# KiCad board helios-panel.kicad_pcb (continued)
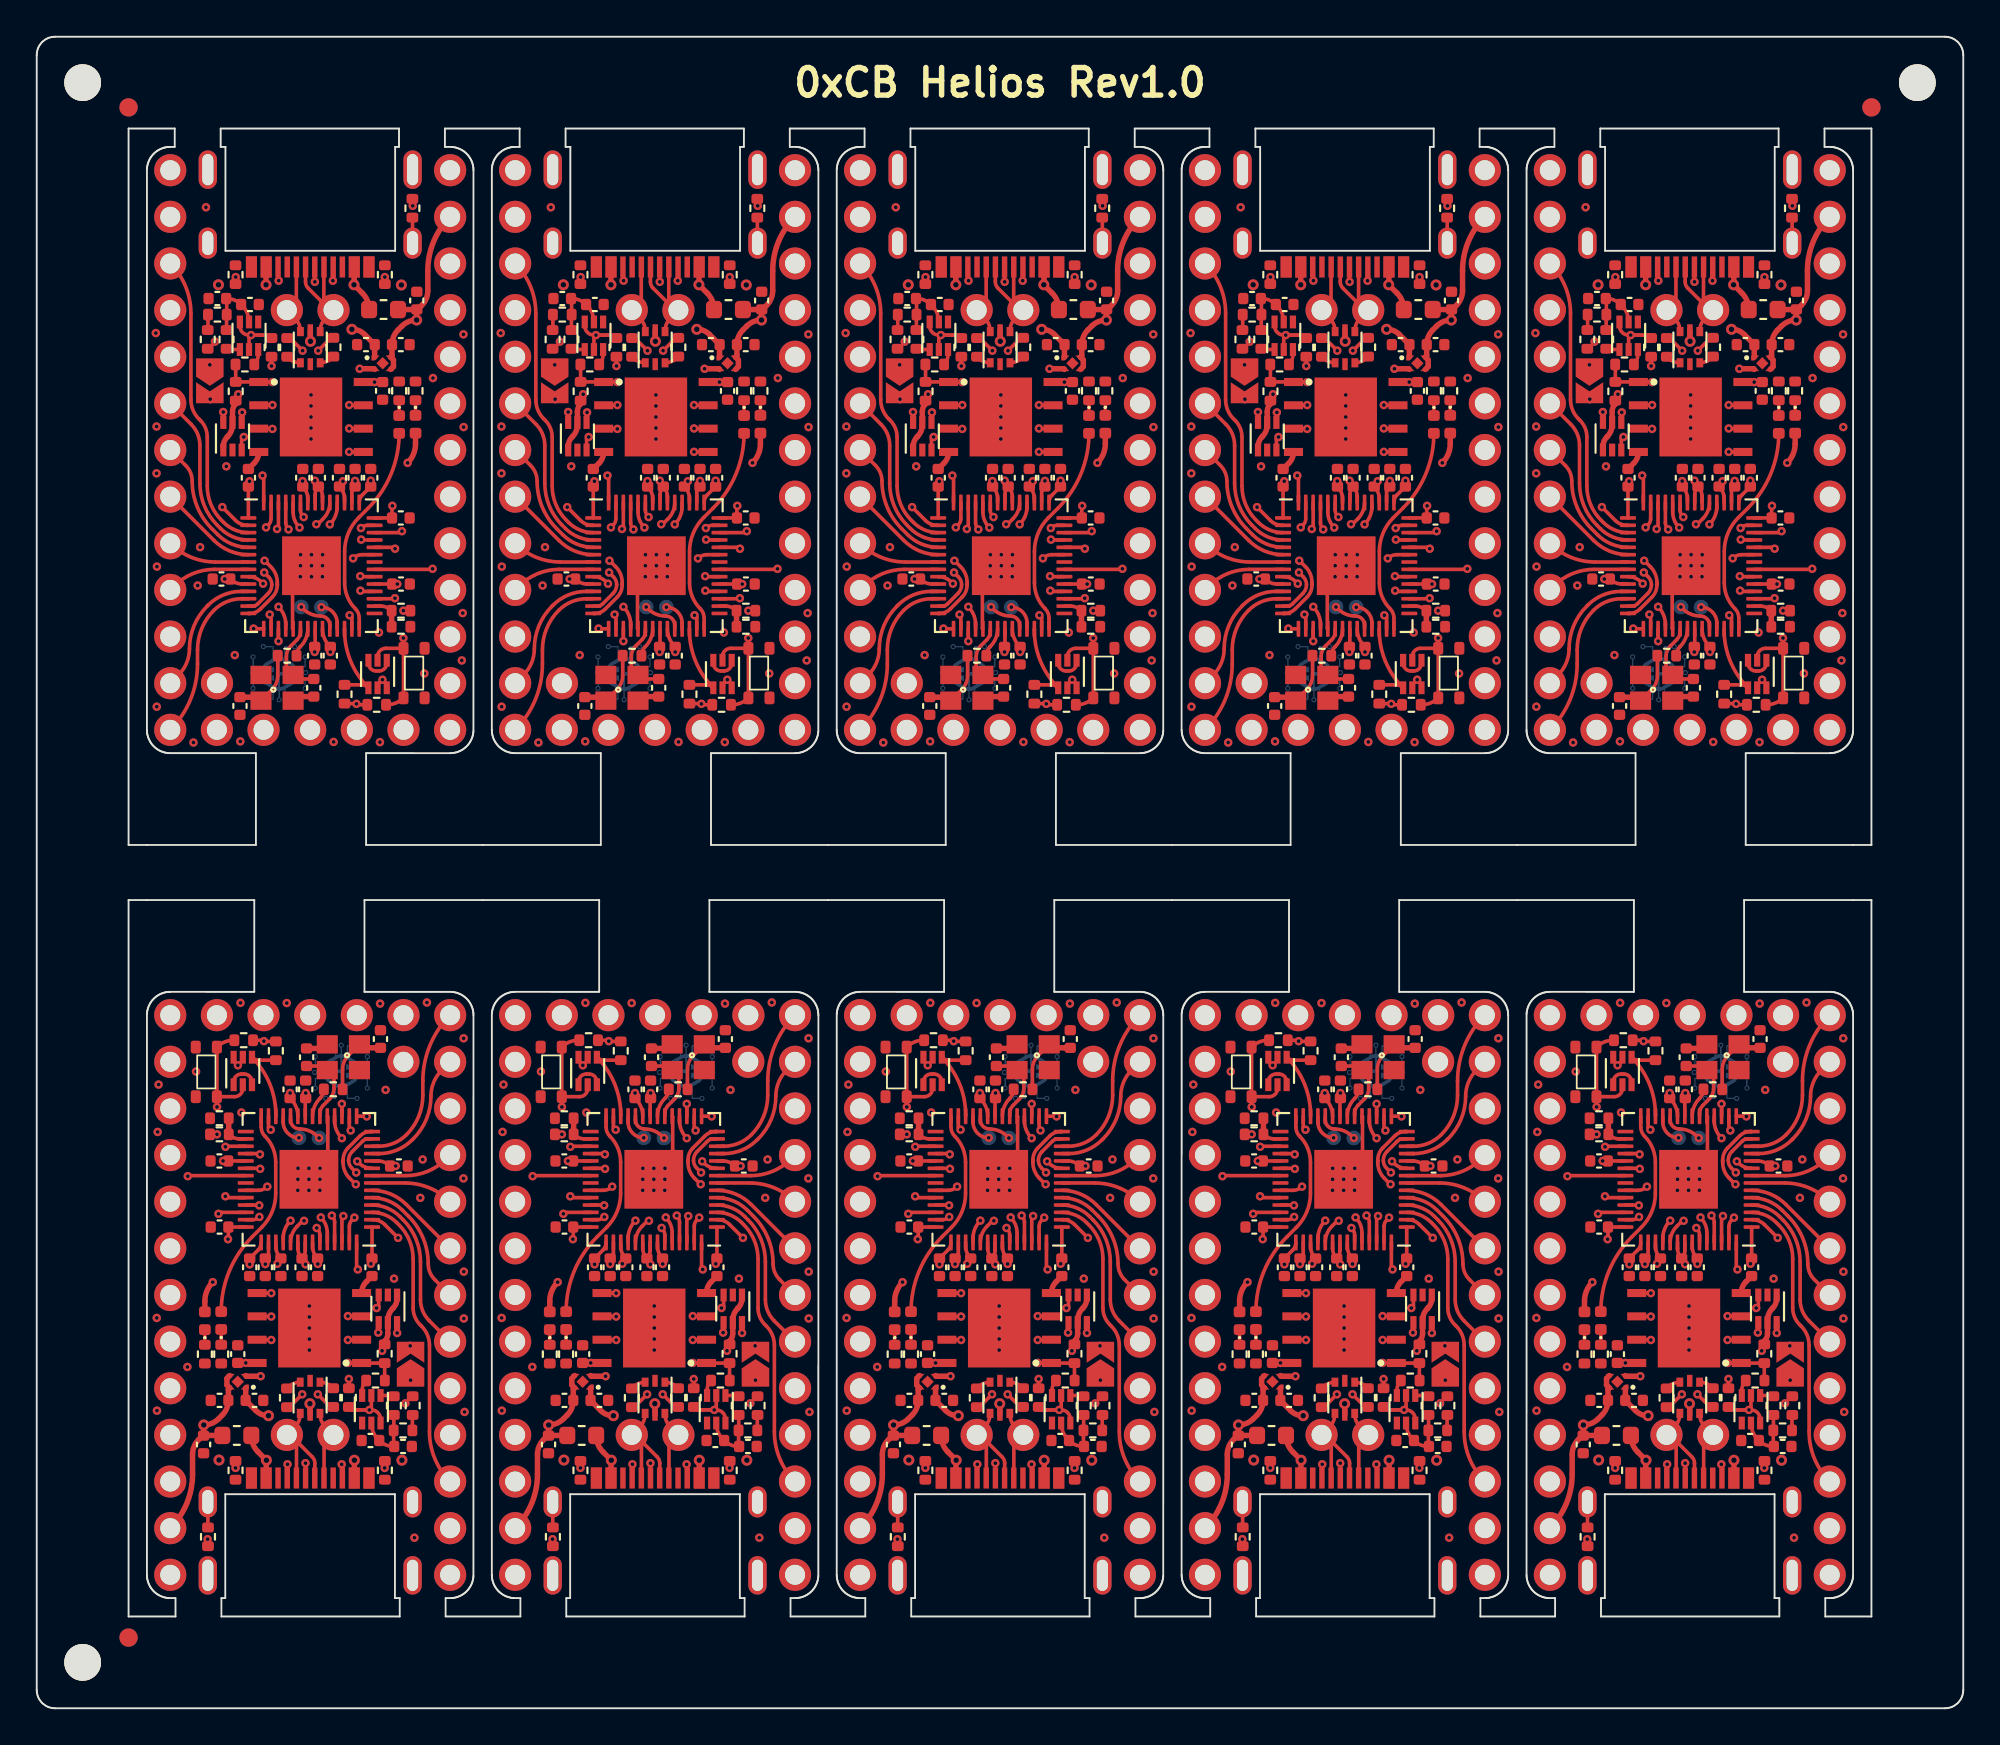
[diagram p0: board, top side]
## Routing (per net, layer and track width the routed paths; a pad name or vN(x,y) marks a point on that pad's centre or on a via; arc(x,y) is an arc through that point) (continued)
Board_1-/RGB_DO: length 15.4
  Top w0.2: U4#8.37 36.49,62.83 arc(36.23,62.78) v1(36.01,62.63) ; U5#4.3 29.94,69.12 v1(30.05,69.24)
  In1.Cu w0.2: v1(30.05,69.24) 29.26,69.24 arc(28.61,68.97) 28.34,68.31 arc(28.48,67.58) 28.9,66.96 29.67,66.18 arc(30.11,65.53) 30.26,64.76 30.26,64.25 arc(30.45,63.79) 30.9,63.6 34.14,63.6 arc(34.96,63.44) 35.66,62.98 v1(36.01,62.63)
Board_1-/RST: length 4.9
  Top w0.2: U4#8.26 35.54,58.72 arc(35.88,57.02) Q1.4 36.83,55.59 arc(36.66,55.7) 36.47,55.74 R3#8.2
Board_1-/SWD_CLK: length 2.2
  Top w0.2: v1(33.19,59.98) 33.28,59.89 arc(33.72,59.59) 34.24,59.49 arc(34.59,59.34) 34.74,58.99 U4#8.24
Board_1-/SWD_IO: length 1.7
  Top w0.2: U4#8.25 35.14,59.12 arc(34.89,59.72) v1(34.28,59.97)
Board_1-/USB+: length 0.8
  Top w0.2: R12#8.1 32.47,73.56 arc(32.77,73.35) U1#7.1
Board_1-/USB-: length 0.8
  Top w0.2: R13#10.1 34.87,73.55 arc(34.57,73.35) U1#7.3
Board_1-GND: length 8.8
  Top w0.2: Q1.1 37.84,56.92 arc(37.71,56.62) 37.41,56.5 37.27,56.5 arc(36.97,56.62) 36.84,56.92 Q1.3 ; v1(33.74,62.23) 32.71,61.2 32.71,58.82 U4#8.19
  Top w0.3: C16#10.2 30.62,67.81 arc(30.8,68.09) U3#10.4 ; v1(36.37,72.96) 37.15,72.96 U2#2.2 ; C7#3.1 32.96,55.1 Y1#5.2
  vias: v1(25.27,74.9) v1(25.3,69.81) v1(25.3,67.26) v1(25.33,62.18) v1(25.31,54.55) v1(27.31,52.6) v1(27.55,61.15) v1(27.67,63.24) v1(27.99,81.75) v1(28.48,74.43) v1(29.56,57.36) v1(29.87,52.66) v1(33.15,62.83) v1(33.14,62.23) v1(33.13,61.63) v1(33.72,71.53) v1(33.72,70.93) v1(33.72,70.33) v1(33.72,69.73) v1(33.72,69.13) v1(33.74,62.83) v1(33.74,61.63) v1(34.34,62.83) v1(34.34,62.23) v1(34.34,61.63) v1(34.95,52.63) v1(37.41,58.59) v1(37.47,52.62) v1(39.26,81.83) v1(39.88,56.36) v1(40.35,72.45) v1(41.92,57.07) v1(42.02,74.83) v1(42.02,69.78) v1(41.98,59.65) v2(28.67,77.53) v2(38.63,77.52)
Board_1-Net-(C1-Pad1): length 3.7
  Top w0.2: 29.12,75.06 29.12,75.9 R5#10.1 29.12,76.75 C1#9.1 29.13,76.78 arc(29.55,76.7) C2#10.1 29.97,76.39 arc(30.24,75.99) Q2#7.5
Board_1-Net-(C7-Pad2): length 4.1
  Top w0.2: C7#3.2 32.96,56.06 Y1#5.3 32.52,56.5 arc(32.41,56.66) 32.38,56.85 32.38,57.28 arc(32.44,57.59) 32.61,57.86 32.96,58.21 arc(33.09,58.4) 33.14,58.64 U4#8.20
Board_1-Net-(C8-Pad2): length 4
  Top w0.2: Y1#5.1 31.59,55.48 arc(31.82,55.83) 31.91,56.24 R14#8.1
  Top w0.3: Y1#5.1 30.8,55.07 C8#4.2
Board_1-Net-(D1-Pad1): length 0.8
  Top w0.2: D1#7.1 R10#4.1
Board_1-Net-(D1-Pad2): length 24.2
  Top w0.2: JP1#5.2 28.23,71.56 v1(28.23,71.3)
  Top w0.3: D1#7.2 39.41,68.87 arc(39.29,68.31) v1(38.98,67.83)
  In1.Cu w0.2: v1(28.23,71.3) 28.21,71.3 arc(28.08,71.1) 28.03,70.87 28.03,68.2 arc(28.18,67.46) 28.6,66.83 29.35,66.08 arc(29.8,65.41) 29.96,64.62 29.96,64.23 arc(30.23,63.58) 30.88,63.3 34.16,63.3 arc(34.57,63.22) 34.91,62.99 35.62,62.28 arc(35.98,62.14) 36.33,62.28 36.35,62.3 arc(36.49,62.65) 36.35,63.01 36.11,63.25 arc(35.75,64.12) 36.11,64.99 38.95,67.83 v1(38.98,67.83)
Board_1-Net-(D2-Pad1): length 0.8
  Top w0.2: D2#8.1 R15#4.1
Board_1-Net-(FB1-Pad1): length 1.4
  Top w0.2: 39.24,79.8 39.24,81.19 FB1#3.1
Board_1-Net-(J1-PadA5): length 4.1
  Top w0.2: v1(34.91,77.75) 34.91,77.76 34.91,78.5 ; R7#8.2 v1(37.73,77.95)
  In1.Cu w0.2: v1(37.73,77.95) 37.63,78.05 35.64,78.05 arc(35.24,77.98) v1(34.91,77.75)
Board_1-Net-(J1-PadB5): length 3.6
  Top w0.2: R8#6.2 29.6,77.94 v1(29.62,77.95) ; 31.91,78.5 31.91,77.79 v1(31.95,77.75)
  In1.Cu w0.2: v1(29.62,77.95) 29.72,78.05 31.23,78.05 arc(31.62,77.98) v1(31.95,77.75)
Board_1-Net-(Q1-Pad5): length 28.5
  Top w0.2: 31.09,74.79 30.34,74.79 arc(29.99,74.94) 29.84,75.29 Q2#7.6 ; 31.09,74.79 31.41,74.79 R2#9.2 ; 31.09,74.79 v1(30.45,74.79) 30.34,74.68 Q2#7.2 ; Q1.5 37.34,55.76 v1(37.6,56.02) 37.84,55.79 Q1.6
  In2.Cu w0.2: v1(30.45,74.79) 30.33,74.67 arc(30.22,74.5) 30.18,74.31 30.18,72.23 arc(30.22,72.04) 30.33,71.88 30.36,71.84 arc(30.49,71.64) 30.54,71.41 30.54,68.84 arc(30.46,68.45) 30.24,68.12 arc(29.97,67.72) 29.88,67.25 29.88,66.27 arc(30.11,65.12) 30.76,64.15 32.01,62.9 arc(32.34,62.4) 32.46,61.82 32.46,59.42 arc(33.45,57.02) 35.86,56.02 37.6,56.02 v1(37.6,56.02)
Board_1-Net-(Q2-Pad1): length 0.7
  Top w0.2: Q2#7.1 29.16,74.01 R4#3.1
Board_1-Net-(R5-Pad2): length 0.8
  Top w0.2: 28.09,75.06 28.1,75.08 28.1,75.91
Board_1-Net-(R14-Pad2): length 1.6
  Top w0.2: R14#8.2 arc(32.98,57.59) 33.12,57.81 33.14,57.83 arc(33.44,58.27) U4#8.21
Board_1-VBUS: length 28.7
  Top w0.2: v1(38.74,59.78) R16#2.1
  Top w0.3: v2(31.27,77.53) 31.27,78.5 ; 36.06,78.5 36.06,77.54 v2(36.05,77.53) 36.5,77.08 arc(36.78,76.67) F1#2.1
  In2.Cu w0.2: v1(38.74,59.78) arc(39.27,60.56) 39.45,61.48 39.45,69.34 arc(38.57,73.77) v2(36.05,77.53)
  In2.Cu w0.3: v2(31.27,77.53) arc(31.53,78.18) 32.18,78.45 35.14,78.45 arc(35.79,78.18) v2(36.05,77.53)
Board_2-+1V1: length 15.7
  Top w0.2: v1(52.03,66.84) 52.05,66.83 C17#2.1 arc(52.25,66.24) 52.32,65.88 U4#2.50 ; v1(54.23,66.83) 54.05,66.64 C10#4.2 arc(54.25,66.24) 54.32,65.88 U4#2.45 ; v1(53.55,57.53) C19#10.1 53.51,57.84 arc(53.22,58.28) U4#2.23
  In2.Cu w0.2: v1(52.03,66.84) 53.08,65.8 ; 53.08,65.8 53.6,65.28 arc(53.89,64.84) 53.99,64.32 53.99,58.61 arc(53.88,58.03) v1(53.55,57.53) ; 53.08,65.8 54.11,66.83 v1(54.23,66.83)
Board_2-+3V3: length 20.5
  Top w0.2: 55.93,61.23 v1(57.19,61.23) ; R3#6.1 54.95,54.72 v1(54.97,54.71) 55.02,54.66 R1#4.1 ; v1(52.7,66.86) 52.89,66.67 C14#4.1 ; U4#2.1 49.08,66.54 C16#9.1 49.08,66.77 v1(49.14,66.83) ; v1(47.8,61.51) C15#9.1 arc(48.4,61.3) 48.76,61.23 U4#2.10 ; v1(56.92,65.49) 56.91,65.47 C13#9.1 55.93,64.83 ; R2#5.1 v1(50.34,73.11) ; C6#6.1 v1(55.95,72.23) 55.95,72.24 U3.8 ; v1(55.75,66.86) C18#5.1 55.29,66.09 arc(55.17,65.9) U4#2.43 ; v1(54.89,66.85) C9#9.2 54.78,66.42 arc(54.74,66.36) 54.72,66.28 U4#2.44 ; v1(48.53,71.57) 48.53,71.36 R11.1 ; U4#2.48 53.12,66 arc(53.06,66.29) C14#4.1 ; U4#2.22 52.72,57.84 C11#6.1 ; U4#2.49 52.72,66.12 arc(52.77,66.35) C14#4.1
  Top w0.3: R11.1 48.4,71.04 48.34,70.99 arc(48.25,70.81) 48.22,70.62 U5.5 48.22,69.91 arc(48.15,69.56) 47.95,69.26 47.94,69.25 arc(47.78,69.01) 47.72,68.72 U5.1 ; U2#10.1 55.96,74.27 ; C5#4.1 55.41,74.83 arc(55.09,75.04) 54.72,75.11
  vias: v1(46.98,73.17) v1(47.88,67.64) v1(52.69,57.53) v2(54.72,75.11)
Board_2-+5V: length 25.1
  Top w0.3: 58.25,76.18 C3#10.1 58.31,76.19 58.52,76.41 arc(58.77,76.78) 58.86,77.21 58.86,78.3 arc(59.17,79.88) J2#5.30 ; 58.25,76.18 v2(58.25,75.61) arc(57.81,75.52) 57.44,75.28 57.24,75.07 arc(56.99,74.7) C4#2.1 56.91,73.67 U2#10.4 56.98,73.44 56.98,73.07 U2#10.3 ; 58.25,76.18 F1#4.2 ; v2(52.47,74.45) 52.45,74.46 U1#8.5 ; v1(47.72,70.6) 47.72,70.59 U5.6
  In1.Cu w0.3: v1(47.72,70.6) 47.72,70.88 arc(47.99,72.27) 48.78,73.44 arc(49.91,74.2) 51.24,74.46 52.45,74.46 v2(52.47,74.45) 55.44,74.45 arc(56.96,74.75) v2(58.25,75.61)
Board_2-/0_TX0: length 18.4
  Top w0.2: U4#2.2 49.03,64.43 arc(48.68,64.5) 48.39,64.7 v1(47.66,65.42)
  In1.Cu w0.2: J2#5.2 44.83,80.66 arc(44.87,80.47) 44.98,80.31 45.01,80.27 arc(45.9,78.94) 46.22,77.36 46.22,68.13 arc(46.4,67.22) 46.91,66.45 47.47,65.89 arc(47.61,65.67) v1(47.66,65.42)
Board_2-/1_RX0: length 16.4
  Top w0.2: J2#5.3 arc(45.66,77.44) 45.95,75.97 45.95,71.27 arc(46.07,70.71) 46.39,70.23 46.47,70.14 arc(46.75,69.73) 46.84,69.24 46.84,66.57 arc(47.05,65.56) 47.62,64.71 47.74,64.59 arc(48.35,64.17) U4#2.3
Board_2-/2_SDA1: length 9.4
  Top w0.2: J2#5.6 45.97,69.93 arc(46.32,69.4) 46.45,68.78 46.45,66.71 arc(46.69,65.48) 47.39,64.44 47.57,64.26 arc(48.26,63.79) U4#2.4
Board_2-/3_SCL1: length 7.3
  Top w0.2: J2#5.7 45.67,67.69 arc(45.93,67.3) 46.02,66.83 arc(46.3,65.43) 47.1,64.24 47.42,63.92 arc(48.18,63.41) U4#2.5
Board_2-/4: length 5.4
  Top w0.2: J2#5.8 47.22,63.6 arc(48.07,63.03) U4#2.6
Board_2-/5: length 4.5
  Top w0.2: U4#2.7 47.29,62.43 arc(45.96,62.7) J2#5.9
Board_2-/6: length 4.6
  Top w0.2: U4#2.8 47.24,62.03 arc(46.05,61.79) 45.04,61.12 J2#5.10
Board_2-/7: length 6.9
  Top w0.2: U4#2.9 49.12,61.63 arc(49.48,61.56) 49.78,61.35 v1(49.89,61.25)
  In2.Cu w0.2: v1(49.89,61.25) 48.54,59.91 arc(46.84,58.77) J2#5.11
Board_2-/8: length 7.3
  Top w0.2: U4#2.11 48.7,60.83 arc(47.73,60.64) 46.9,60.09 46.83,60.02 arc(46.12,58.96) 45.88,57.7 arc(45.72,56.94) 45.29,56.29 J2#5.12
Board_2-/9: length 9.2
  Top w0.2: U4#2.12 48.72,60.43 arc(47.9,60.27) 47.21,59.8 arc(46.55,58.81) 46.31,57.65 46.31,56.88 arc(45.93,54.93) J2#5.13
Board_2-/10: length 26.5
  Top w0.2: v1(49.94,61.86) 50.18,61.62 arc(50.31,61.43) 50.36,61.2 arc(50.31,60.94) 50.16,60.72 49.59,60.15 arc(49.46,60.06) 49.31,60.03 U4#2.13
  In2.Cu w0.2: v1(49.94,61.86) 49.91,61.86 46.63,65.14 arc(46.22,65.76) 46.08,66.48 46.08,80.76 arc(45.75,82.39) J2#5.1
Board_2-/11: length 38
  Top w0.2: U4#2.14 49.17,59.63 arc(49.47,59.69) 49.73,59.86 50.38,60.51 arc(50.59,60.82) 50.66,61.18 50.66,61.31 arc(50.57,61.78) 50.3,62.17 49.98,62.5 v1(49.97,62.5)
  In1.Cu w0.2: v1(49.97,62.5) 49.97,62.69 arc(49.87,62.91) 49.65,63 arc(48.79,63.36) 48.44,64.22 48.44,64.45 arc(48.27,65.28) 47.8,65.98 47.14,66.64 arc(46.68,67.34) 46.52,68.16 46.52,76.65 arc(47.07,77.98) 48.4,78.53 57.68,78.53 arc(58.51,78.87) 58.86,79.71 58.86,80.84 arc(59.17,82.42) J2#5.31
Board_2-/12: length 6.6
  Top w0.2: v1(49.37,58.81) 49.38,58.79 U4#2.15
  In1.Cu w0.2: v1(49.37,58.81) 49.37,58.12 arc(48.85,55.51) J2#5.14
Board_2-/13: length 7.2
  Top w0.2: U4#2.16 50.32,59.5 v1(50.25,59.57)
  In1.Cu w0.2: J2#5.15 49.91,58.76 arc(50,59.2) v1(50.25,59.57)
Board_2-/14: length 6
  Top w0.2: U4#2.17 50.72,58.13 v1(50.72,58.12)
  In1.Cu w0.2: v1(50.72,58.12) 50.72,57.45 arc(51.17,55.2) J2#5.16
Board_2-/15: length 9.5
  Top w0.2: U4#2.18 51.12,59.04 arc(51.02,59.55) v1(50.72,59.99)
  In1.Cu w0.2: J2#5.17 52.45,55.83 arc(51.62,57.08) 51.33,58.54 arc(51.17,59.33) v1(50.72,59.99)
Board_2-/16: length 7.9
  Top w0.2: U4#2.27 54.72,59.41 v1(54.59,59.53)
  In1.Cu w0.2: J2#5.18 56.93,53.89 arc(55.2,56.48) v1(54.59,59.53)
Board_2-/20_SDI: length 4.9
  Top w0.2: v1(57.06,60.46) 57.03,60.43 U4#2.31
  In1.Cu w0.2: J2#5.21 58.63,59.81 arc(57.91,60.29) v1(57.06,60.46)
Board_2-/21_CS: length 10.1
  Top w0.2: v1(55.19,60.87) 55.22,60.83 U4#2.32
  In1.Cu w0.2: J2#5.19 57.17,56.19 arc(55.87,58.02) 55.24,60.16 55.24,60.82 v1(55.19,60.87)
Board_2-/22_SCK: length 5.9
  Top w0.2: U4#2.34 55.2,61.63 v1(55.17,61.66)
  In1.Cu w0.2: v1(55.17,61.66) 55.22,61.7 58.15,61.7 arc(59.19,61.5) J2#5.22
Board_2-/23_SDO: length 9.8
  Top w0.2: U4#2.35 59.08,62.03 v1(59.11,62.06)
  In2.Cu w0.2: v1(59.11,62.06) 58.98,61.93 58.98,58.21 arc(59.22,57.01) 59.9,56 J2#5.20
Board_2-/A0: length 4.2
  Top w0.2: U4#2.38 57,63.23 v1(57.07,63.16)
  In1.Cu w0.2: v1(57.07,63.16) 59.36,63.16 arc(59.74,63.23) J2#5.23
Board_2-/A1: length 6.5
  Top w0.2: v1(55.22,63.65) 55.25,63.63 U4#2.39
  In1.Cu w0.2: J2#5.24 57.97,63.89 arc(57.68,63.7) 57.34,63.63 55.25,63.63 v1(55.22,63.65)
Board_2-/A2: length 6.8
  Top w0.2: U4#2.40 57.36,64.03 v1(57.44,64.11)
  In1.Cu w0.2: J2#5.25 58.71,67.17 arc(57.77,65.77) v1(57.44,64.11)
Board_2-/A3: length 9.4
  Top w0.2: v1(55.22,64.28) 55.22,64.28 arc(55.38,64.39) 55.57,64.43 U4#2.41
  In1.Cu w0.2: J2#5.26 59.2,70.2 arc(58.91,69.76) 58.81,69.24 arc(58.58,68.13) 57.96,67.19 55.22,64.45 v1(55.22,64.28)
Board_2-/BOOT: length 0.9
  Top w0.2: Q2#5.3 49.62,73.71 arc(49.56,73.43) R9#4.2
Board_2-/D+: length 12.7
  Top w0.2: v1(52.03,73.94) 51.34,74.63 R12#6.2 ; v1(52.78,64.49) 52.86,64.49 53.15,64.78 arc(53.42,65.19) U4#2.47
  In1.Cu w0.2: v1(52.03,73.94) 52.66,73.31 arc(53.14,72.59) 53.31,71.75 53.31,70.89 53.31,67 arc(53.27,66.81) 53.16,66.65 53.07,66.55 arc(52.96,66.39) 52.92,66.2 52.92,64.63 v1(52.78,64.49)
Board_2-/D-: length 12.7
  Top w0.2: v1(52.89,73.94) 53.58,74.64 R13#7.2 ; U4#2.46 53.92,65.45 arc(53.82,64.92) v1(53.52,64.48)
  In1.Cu w0.2: v1(52.89,73.94) 52.89,73.93 arc(52.92,73.74) 53.03,73.58 arc(53.57,72.77) 53.76,71.82 53.76,70.51 arc(53.79,70.44) 53.85,70.42 arc(53.91,70.39) 53.94,70.33 53.94,70.21 arc(53.91,70.14) 53.85,70.12 53.76,70.12 53.76,70.11 53.7,70.11 arc(53.65,70.09) 53.63,70.04 53.63,69.87 arc(53.65,69.82) 53.7,69.81 arc(53.74,69.79) 53.76,69.74 53.76,66.82 arc(53.72,66.63) 53.61,66.46 53.52,66.37 arc(53.41,66.21) 53.37,66.01 53.37,64.83 arc(53.41,64.64) 53.52,64.48 v1(53.52,64.48)
Board_2-/LED: length 11.7
  Top w0.2: U4#2.28 55.12,59.38 arc(55.07,59.65) 54.91,59.88 arc(54.48,60.53) 54.33,61.3 54.33,63 arc(54.52,64) 55.09,64.85 55.61,65.36 arc(56.86,67.23) D2#9.2
Board_2-/PORT+: length 7.1
  Top w0.2: 52.69,78.5 52.69,77.7 v1(52.7,77.69) ; U1#8.6 51.92,75 arc(51.84,75.38) 51.62,75.71 J2#5.34 51.69,76.67 51.69,78.5
  In1.Cu w0.2: J2#5.34 51.34,76.15 52.7,77.51 v1(52.7,77.69)
Board_2-/PORT-: length 7.1
  Top w0.2: J2#5.33 53.29,75.72 arc(53.07,75.39) 52.99,75.01 U1#8.4 ; J2#5.33 53.19,76.68 53.19,78.5 ; J2#5.33 53.53,76.15 52.34,77.34 arc(52.23,77.51) 52.19,77.7 52.19,78.5
Board_2-/QSPI_CLK: length 11.3
  Top w0.2: U4#2.52 51.52,65.15 arc(51.61,64.69) v1(51.87,64.31) ; v1(54.57,69.71) 54.58,69.7 U3.6
  In2.Cu w0.2: v1(51.87,64.31) 51.87,64.41 arc(51.41,65.1) 51.25,65.91 51.25,67.19 arc(51.42,67.61) 51.84,67.78 54.54,67.78 arc(54.9,67.93) 55.04,68.28 55.04,68.56 arc(54.92,69.18) v1(54.57,69.71)
Board_2-/QSPI_CS: length 9.8
  Top w0.2: v1(49.86,67.14) 49.92,67.08 49.92,65.69 ; 48.38,73.19 48.4,73.18 R11.2 49.64,72.24 U3.1 50.39,72.24 v1(50.39,72.23)
  In2.Cu w0.2: v1(49.86,67.14) arc(49.68,67.4) 49.62,67.7 49.62,70.36 arc(49.82,71.37) v1(50.39,72.23)
Board_2-/QSPI_SD0: length 11.3
  Top w0.2: v1(51.27,64.21) 51.27,64.21 arc(51.16,64.37) 51.12,64.56 U4#2.53 ; v1(54.57,68.43) 54.58,68.43 U3.5
  In2.Cu w0.2: v1(51.27,64.21) 51.27,64.28 arc(51.03,64.64) 50.94,65.06 50.94,67.24 arc(51.19,67.83) 51.78,68.08 52.61,68.08 arc(52.72,68.12) 52.77,68.23 52.77,68.48 arc(52.81,68.59) 52.92,68.63 arc(53.02,68.59) 53.06,68.48 53.06,68.23 arc(53.11,68.12) 53.22,68.08 arc(53.32,68.12) 53.36,68.23 53.36,68.48 arc(53.41,68.59) 53.52,68.63 arc(53.62,68.59) 53.67,68.48 53.67,68.23 arc(53.71,68.12) 53.81,68.08 arc(54.19,68.15) 54.51,68.37 v1(54.57,68.43)
Board_2-/QSPI_SD1: length 11.4
  Top w0.2: v1(50.05,64.32) 50.17,64.44 arc(50.28,64.61) 50.32,64.8 U4#2.55 ; U3.2 50.38,70.97 v1(50.39,70.98)
  In2.Cu w0.2: v1(50.05,64.32) 50.21,64.48 arc(50.31,64.63) 50.34,64.8 arc(50.3,64.91) 50.19,64.95 50.09,64.95 arc(49.99,64.99) 49.94,65.1 arc(49.99,65.21) 50.09,65.25 50.19,65.25 arc(50.3,65.29) 50.34,65.4 arc(50.3,65.51) 50.19,65.55 50.09,65.55 arc(49.99,65.59) 49.94,65.7 arc(49.99,65.81) 50.09,65.85 50.19,65.85 arc(50.3,65.89) 50.34,66 arc(50.3,66.11) 50.19,66.15 50.09,66.15 arc(49.99,66.19) 49.94,66.3 arc(49.99,66.41) 50.09,66.45 50.19,66.45 arc(50.3,66.49) 50.34,66.6 50.34,67.16 arc(50.31,67.35) 50.2,67.51 50.07,67.64 arc(49.96,67.81) 49.92,68 49.92,68.34 arc(49.96,68.44) 50.07,68.49 50.17,68.49 arc(50.28,68.53) 50.32,68.64 arc(50.28,68.74) 50.17,68.79 50.07,68.79 arc(49.96,68.83) 49.92,68.94 49.92,69.84 arc(50.04,70.45) v1(50.39,70.98)
Board_2-/QSPI_SD2: length 11.3
  Top w0.2: v1(50.64,64.23) 50.72,64.31 U4#2.54 ; v1(50.39,69.68) 50.38,69.7 U3.3
  In2.Cu w0.2: v1(50.64,64.23) 50.64,68.23 arc(50.69,68.34) 50.8,68.38 51.5,68.38 arc(51.6,68.42) 51.64,68.53 arc(51.6,68.64) 51.5,68.68 50.8,68.68 arc(50.69,68.72) 50.64,68.83 arc(50.69,68.94) 50.8,68.98 51.5,68.98 arc(51.6,69.02) 51.64,69.13 arc(51.6,69.24) 51.5,69.28 50.8,69.28 arc(50.69,69.32) 50.64,69.43 v1(50.39,69.68)
Board_2-/QSPI_SD3: length 11.4
  Top w0.2: v1(54.57,70.98) 54.58,70.97 U3.7 ; v1(52.09,64.88) 52.07,64.91 arc(51.96,65.07) 51.92,65.26 U4#2.51
  In2.Cu w0.2: v1(52.09,64.88) arc(51.69,65.49) 51.55,66.2 51.55,67.13 arc(51.64,67.36) 51.88,67.46 54.56,67.46 arc(55.14,67.7) 55.39,68.28 55.39,69.01 arc(55.17,70.08) v1(54.57,70.98)
Board_2-/RESET: length 24.7
  Top w0.2: v1(57.53,58.29) 57.53,58.29 SW1#8.2 ; SW1#8.2 56.57,57.73 arc(56.25,57.6) 56.12,57.28 Q1#9.2 56.12,57.09 ; SW1#8.2 SW1#8.2 arc(57.11,54.75) 56.62,54.66 R1#4.2
  In2.Cu w0.2: J2#5.28 arc(58.93,74.44) 58.53,72.43 58.53,60.71 arc(58.27,59.4) v1(57.53,58.29)
Board_2-/RGB_5V: length 17.5
  Top w0.2: U5.4 48.72,70.56 v1(48.74,70.58)
  In2.Cu w0.2: v1(48.74,70.58) arc(48.46,70.15) 48.36,69.65 48.36,66.16 arc(48.59,65) 49.25,64.02 50.52,62.75 arc(50.83,62.28) 50.94,61.73 arc(50.82,61.12) 50.47,60.6 48.56,58.7 arc(47.68,57.38) J2#5.32
Board_2-/RGB_DO: length 15.4
  Top w0.2: U4#2.37 55.27,62.83 arc(55.01,62.78) v1(54.78,62.63) ; U5.3 48.72,69.12 v1(48.84,69.24)
  In1.Cu w0.2: v1(48.84,69.24) 48.04,69.24 arc(47.39,68.97) 47.12,68.31 arc(47.26,67.58) 47.68,66.96 48.45,66.18 arc(48.89,65.53) 49.04,64.76 49.04,64.25 arc(49.23,63.79) 49.68,63.6 52.92,63.6 arc(53.74,63.44) 54.44,62.98 v1(54.78,62.63)
Board_2-/RST: length 4.9
  Top w0.2: U4#2.26 54.32,58.72 arc(54.66,57.02) Q1#9.4 55.61,55.59 arc(55.44,55.7) 55.25,55.74 R3#6.2
Board_2-/SWD_CLK: length 2.2
  Top w0.2: v1(51.97,59.98) 52.06,59.89 arc(52.5,59.59) 53.02,59.49 arc(53.37,59.34) 53.52,58.99 U4#2.24
Board_2-/SWD_IO: length 1.7
  Top w0.2: U4#2.25 53.92,59.12 arc(53.67,59.72) v1(53.06,59.97)
Board_2-/USB+: length 0.8
  Top w0.2: R12#6.1 51.25,73.56 arc(51.55,73.35) U1#8.1
Board_2-/USB-: length 0.8
  Top w0.2: R13#7.1 53.65,73.55 arc(53.35,73.35) U1#8.3
Board_2-GND: length 8.8
  Top w0.2: Q1#9.1 56.62,56.92 arc(56.49,56.62) 56.19,56.5 56.05,56.5 arc(55.75,56.62) 55.62,56.92 Q1#9.3 ; v1(52.52,62.23) 51.49,61.2 51.49,58.82 U4#2.19
  Top w0.3: C16#9.2 49.4,67.81 arc(49.58,68.09) U3.4 ; v1(55.14,72.96) 55.92,72.96 U2#10.2 ; C7#7.1 51.74,55.1 Y1.2
  vias: v1(44.05,74.9) v1(44.09,69.81) v1(44.09,67.26) v1(44.1,62.18) v1(44.09,54.55) v1(46.09,52.6) v1(46.33,61.15) v1(46.45,63.24) v1(46.77,81.75) v1(47.27,74.43) v1(48.34,57.36) v1(48.65,52.66) v1(51.92,62.83) v1(51.92,62.23) v1(51.92,61.63) v1(52.5,71.53) v1(52.5,70.93) v1(52.5,70.33) v1(52.5,69.73) v1(52.5,69.13) v1(52.52,62.83) v1(52.52,61.63) v1(53.12,62.83) v1(53.12,62.23) v1(53.11,61.63) v1(53.72,52.63) v1(56.19,58.59) v1(56.25,52.62) v1(58.03,81.83) v1(58.67,56.36) v1(59.14,72.45) v1(60.7,57.07) v1(60.8,74.83) v1(60.81,69.78) v1(60.75,59.65) v2(47.45,77.53) v2(57.42,77.52)
Board_2-Net-(C1-Pad1): length 3.7
  Top w0.2: 47.9,75.06 47.9,75.9 R5#4.1 47.91,76.75 C1#7.1 47.91,76.78 arc(48.33,76.7) C2#2.1 48.75,76.39 arc(49.02,75.99) Q2#5.5
Board_2-Net-(C7-Pad2): length 4.1
  Top w0.2: C7#7.2 51.74,56.06 Y1.3 51.3,56.5 arc(51.19,56.66) 51.16,56.85 51.16,57.28 arc(51.22,57.59) 51.39,57.86 51.74,58.21 arc(51.87,58.4) 51.92,58.64 U4#2.20
Board_2-Net-(C8-Pad2): length 4
  Top w0.2: Y1.1 50.37,55.48 arc(50.6,55.83) 50.69,56.24 R14#10.1
  Top w0.3: Y1.1 49.58,55.07 C8#8.2
Board_2-Net-(D1-Pad1): length 0.8
  Top w0.2: D1.1 R10#10.1
Board_2-Net-(D1-Pad2): length 24.2
  Top w0.2: JP1#2.2 47.01,71.56 v1(47.01,71.3)
  Top w0.3: D1.2 58.19,68.87 arc(58.07,68.31) v1(57.75,67.83)
  In1.Cu w0.2: v1(47.01,71.3) 46.99,71.3 arc(46.86,71.1) 46.81,70.87 46.81,68.2 arc(46.96,67.46) 47.38,66.83 48.13,66.08 arc(48.58,65.41) 48.74,64.62 48.74,64.23 arc(49.01,63.58) 49.66,63.3 52.94,63.3 arc(53.35,63.22) 53.69,62.99 54.4,62.28 arc(54.76,62.14) 55.11,62.28 55.13,62.3 arc(55.27,62.65) 55.13,63.01 54.89,63.25 arc(54.53,64.12) 54.89,64.99 57.73,67.83 v1(57.75,67.83)
Board_2-Net-(D2-Pad1): length 0.8
  Top w0.2: D2#9.1 R15#3.1
Board_2-Net-(FB1-Pad1): length 1.4
  Top w0.2: 58.02,79.8 58.02,81.19 FB1#5.1
Board_2-Net-(J1-PadA5): length 4.1
  Top w0.2: v1(53.69,77.75) 53.69,77.76 53.69,78.5 ; R7#6.2 v1(56.52,77.95)
  In1.Cu w0.2: v1(56.52,77.95) 56.41,78.05 54.42,78.05 arc(54.02,77.98) v1(53.69,77.75)
Board_2-Net-(J1-PadB5): length 3.6
  Top w0.2: R8.2 48.38,77.94 v1(48.4,77.95) ; 50.69,78.5 50.69,77.79 v1(50.73,77.75)
  In1.Cu w0.2: v1(48.4,77.95) 48.5,78.05 50.01,78.05 arc(50.4,77.98) v1(50.73,77.75)
Board_2-Net-(Q1-Pad5): length 28.5
  Top w0.2: 49.87,74.79 49.12,74.79 arc(48.77,74.94) 48.62,75.29 Q2#5.6 ; 49.87,74.79 50.19,74.79 R2#5.2 ; 49.87,74.79 v1(49.23,74.79) 49.12,74.68 Q2#5.2 ; Q1#9.5 56.12,55.76 v1(56.39,56.02) 56.62,55.79 Q1#9.6
  In2.Cu w0.2: v1(49.23,74.79) 49.11,74.67 arc(49,74.5) 48.96,74.31 48.96,72.23 arc(49,72.04) 49.11,71.88 49.14,71.84 arc(49.27,71.64) 49.32,71.41 49.32,68.84 arc(49.24,68.45) 49.02,68.12 arc(48.75,67.72) 48.66,67.25 48.66,66.27 arc(48.89,65.12) 49.54,64.15 50.79,62.9 arc(51.12,62.4) 51.24,61.82 51.24,59.42 arc(52.23,57.02) 54.64,56.02 56.38,56.02 v1(56.39,56.02)
Board_2-Net-(Q2-Pad1): length 0.7
  Top w0.2: Q2#5.1 47.94,74.01 R4#7.1
Board_2-Net-(R5-Pad2): length 0.8
  Top w0.2: 46.87,75.06 46.88,75.08 46.88,75.91
Board_2-Net-(R14-Pad2): length 1.6
  Top w0.2: R14#10.2 arc(51.76,57.59) 51.9,57.81 51.92,57.83 arc(52.22,58.27) U4#2.21
Board_2-VBUS: length 28.7
  Top w0.2: v1(57.53,59.78) R16#5.1
  Top w0.3: v2(50.05,77.53) 50.05,78.5 ; 54.84,78.5 54.84,77.54 v2(54.83,77.53) 55.28,77.08 arc(55.56,76.67) F1#4.1
  In2.Cu w0.2: v1(57.53,59.78) arc(58.05,60.56) 58.23,61.48 58.23,69.34 arc(57.35,73.77) v2(54.83,77.53)
  In2.Cu w0.3: v2(50.05,77.53) arc(50.31,78.18) 50.96,78.45 53.92,78.45 arc(54.57,78.18) v2(54.83,77.53)
Board_3-+1V1: length 15.7
  Top w0.2: v1(70.81,66.84) 70.83,66.83 C17#3.1 arc(71.03,66.24) 71.1,65.88 U4#7.50 ; v1(73.02,66.83) 72.83,66.64 C10#8.2 arc(73.03,66.24) 73.1,65.88 U4#7.45 ; v1(72.33,57.53) C19#8.1 72.29,57.84 arc(72,58.28) U4#7.23
  In2.Cu w0.2: v1(70.81,66.84) 71.86,65.8 ; 71.86,65.8 72.38,65.28 arc(72.67,64.84) 72.77,64.32 72.77,58.61 arc(72.66,58.03) v1(72.33,57.53) ; 71.86,65.8 72.89,66.83 v1(73.02,66.83)
Board_3-+3V3: length 20.5
  Top w0.2: 74.71,61.23 C12#8.1 v1(75.97,61.23) ; R3#7.1 73.73,54.72 v1(73.75,54.71) 73.8,54.66 R1.1 ; v1(71.48,66.86) 71.67,66.67 C14.1 ; U4#7.1 67.86,66.54 C16.1 67.86,66.77 v1(67.92,66.83) ; v1(66.58,61.51) C15#10.1 arc(67.18,61.3) 67.54,61.23 U4#7.10 ; v1(75.7,65.49) 75.69,65.47 C13#3.1 74.71,64.83 ; R2#2.1 v1(69.12,73.11) ; C6.1 v1(74.73,72.23) 74.73,72.24 U3#8.8 ; v1(74.53,66.86) C18#9.1 74.07,66.09 arc(73.95,65.9) U4#7.43 ; v1(73.67,66.85) C9#10.2 73.56,66.42 arc(73.52,66.36) 73.5,66.28 U4#7.44 ; v1(67.31,71.57) 67.31,71.36 R11#8.1 ; U4#7.48 71.9,66 arc(71.84,66.29) C14.1 ; U4#7.22 71.5,57.84 C11#5.1 ; U4#7.49 71.5,66.12 arc(71.55,66.35) C14.1
  Top w0.3: R11#8.1 67.17,71.04 67.12,70.99 arc(67.03,70.81) 67,70.62 U5#7.5 67,69.91 arc(66.93,69.56) 66.73,69.26 66.72,69.25 arc(66.56,69.01) 66.5,68.72 U5#7.1 ; U2.1 74.74,74.27 ; C5#9.1 74.19,74.83 arc(73.87,75.04) 73.5,75.11
  vias: v1(65.77,73.17) v1(66.67,67.64) v1(71.47,57.53) v2(73.5,75.11)
Board_3-+5V: length 25.1
  Top w0.3: 77.03,76.18 C3#5.1 77.08,76.19 77.3,76.41 arc(77.55,76.78) 77.64,77.21 77.64,78.3 arc(77.95,79.88) J2#7.30 ; 77.03,76.18 v2(77.03,75.61) arc(76.59,75.52) 76.22,75.28 76.02,75.07 arc(75.77,74.7) C4#8.1 75.69,73.67 U2.4 75.76,73.44 75.76,73.07 U2.3 ; 77.03,76.18 F1#5.2 ; v2(71.25,74.45) 71.23,74.46 U1#9.5 ; v1(66.5,70.6) 66.5,70.59 U5#7.6
  In1.Cu w0.3: v1(66.5,70.6) 66.5,70.88 arc(66.77,72.27) 67.56,73.44 arc(68.69,74.2) 70.02,74.46 71.23,74.46 v2(71.25,74.45) 74.22,74.45 arc(75.74,74.75) v2(77.03,75.61)
Board_3-/0_TX0: length 18.4
  Top w0.2: U4#7.2 67.81,64.43 arc(67.46,64.5) 67.17,64.7 v1(66.44,65.42)
  In1.Cu w0.2: J2#7.2 63.61,80.66 arc(63.65,80.47) 63.76,80.31 63.79,80.27 arc(64.68,78.94) 65,77.36 65,68.13 arc(65.18,67.22) 65.69,66.45 66.25,65.89 arc(66.39,65.67) v1(66.44,65.42)
Board_3-/1_RX0: length 16.4
  Top w0.2: J2#7.3 arc(64.44,77.44) 64.73,75.97 64.73,71.27 arc(64.85,70.71) 65.17,70.23 65.25,70.14 arc(65.53,69.73) 65.62,69.24 65.62,66.57 arc(65.83,65.56) 66.4,64.71 66.52,64.59 arc(67.13,64.17) U4#7.3
Board_3-/2_SDA1: length 9.4
  Top w0.2: J2#7.6 64.75,69.93 arc(65.1,69.4) 65.22,68.78 65.22,66.71 arc(65.47,65.48) 66.17,64.44 66.35,64.26 arc(67.04,63.79) U4#7.4
Board_3-/3_SCL1: length 7.3
  Top w0.2: J2#7.7 64.45,67.69 arc(64.71,67.3) 64.81,66.83 arc(65.08,65.43) 65.88,64.24 66.2,63.92 arc(66.96,63.41) U4#7.5
Board_3-/4: length 5.4
  Top w0.2: J2#7.8 66,63.6 arc(66.85,63.03) U4#7.6
Board_3-/5: length 4.5
  Top w0.2: U4#7.7 66.07,62.43 arc(64.74,62.7) J2#7.9
Board_3-/6: length 4.6
  Top w0.2: U4#7.8 66.02,62.03 arc(64.83,61.79) 63.82,61.12 J2#7.10
Board_3-/7: length 6.9
  Top w0.2: U4#7.9 67.9,61.63 arc(68.26,61.56) 68.56,61.35 v1(68.67,61.25)
  In2.Cu w0.2: v1(68.67,61.25) 67.32,59.91 arc(65.62,58.77) J2#7.11
Board_3-/8: length 7.3
  Top w0.2: U4#7.11 67.48,60.83 arc(66.51,60.64) 65.68,60.09 65.61,60.02 arc(64.9,58.96) 64.66,57.7 arc(64.5,56.94) 64.07,56.29 J2#7.12
Board_3-/9: length 9.2
  Top w0.2: U4#7.12 67.5,60.43 arc(66.68,60.27) 65.99,59.8 arc(65.33,58.81) 65.09,57.65 65.09,56.88 arc(64.71,54.93) J2#7.13
Board_3-/10: length 26.5
  Top w0.2: v1(68.72,61.86) 68.96,61.62 arc(69.09,61.43) 69.14,61.2 arc(69.09,60.94) 68.94,60.72 68.37,60.15 arc(68.24,60.06) 68.09,60.03 U4#7.13
  In2.Cu w0.2: v1(68.72,61.86) 68.69,61.86 65.41,65.14 arc(65,65.76) 64.86,66.48 64.86,80.76 arc(64.53,82.39) J2#7.1
Board_3-/11: length 38
  Top w0.2: U4#7.14 67.95,59.63 arc(68.25,59.69) 68.51,59.86 69.16,60.51 arc(69.37,60.82) 69.44,61.18 69.44,61.31 arc(69.35,61.78) 69.08,62.17 68.76,62.5 v1(68.75,62.5)
  In1.Cu w0.2: v1(68.75,62.5) 68.75,62.69 arc(68.65,62.91) 68.43,63 arc(67.57,63.36) 67.22,64.22 67.22,64.45 arc(67.05,65.28) 66.58,65.98 65.92,66.64 arc(65.46,67.34) 65.3,68.16 65.3,76.65 arc(65.85,77.98) 67.18,78.53 76.46,78.53 arc(77.29,78.87) 77.64,79.71 77.64,80.84 arc(77.95,82.42) J2#7.31